# KiCad board SparkFun_GNSS_Flex_pHAT_panelized.kicad_pcb (continued)
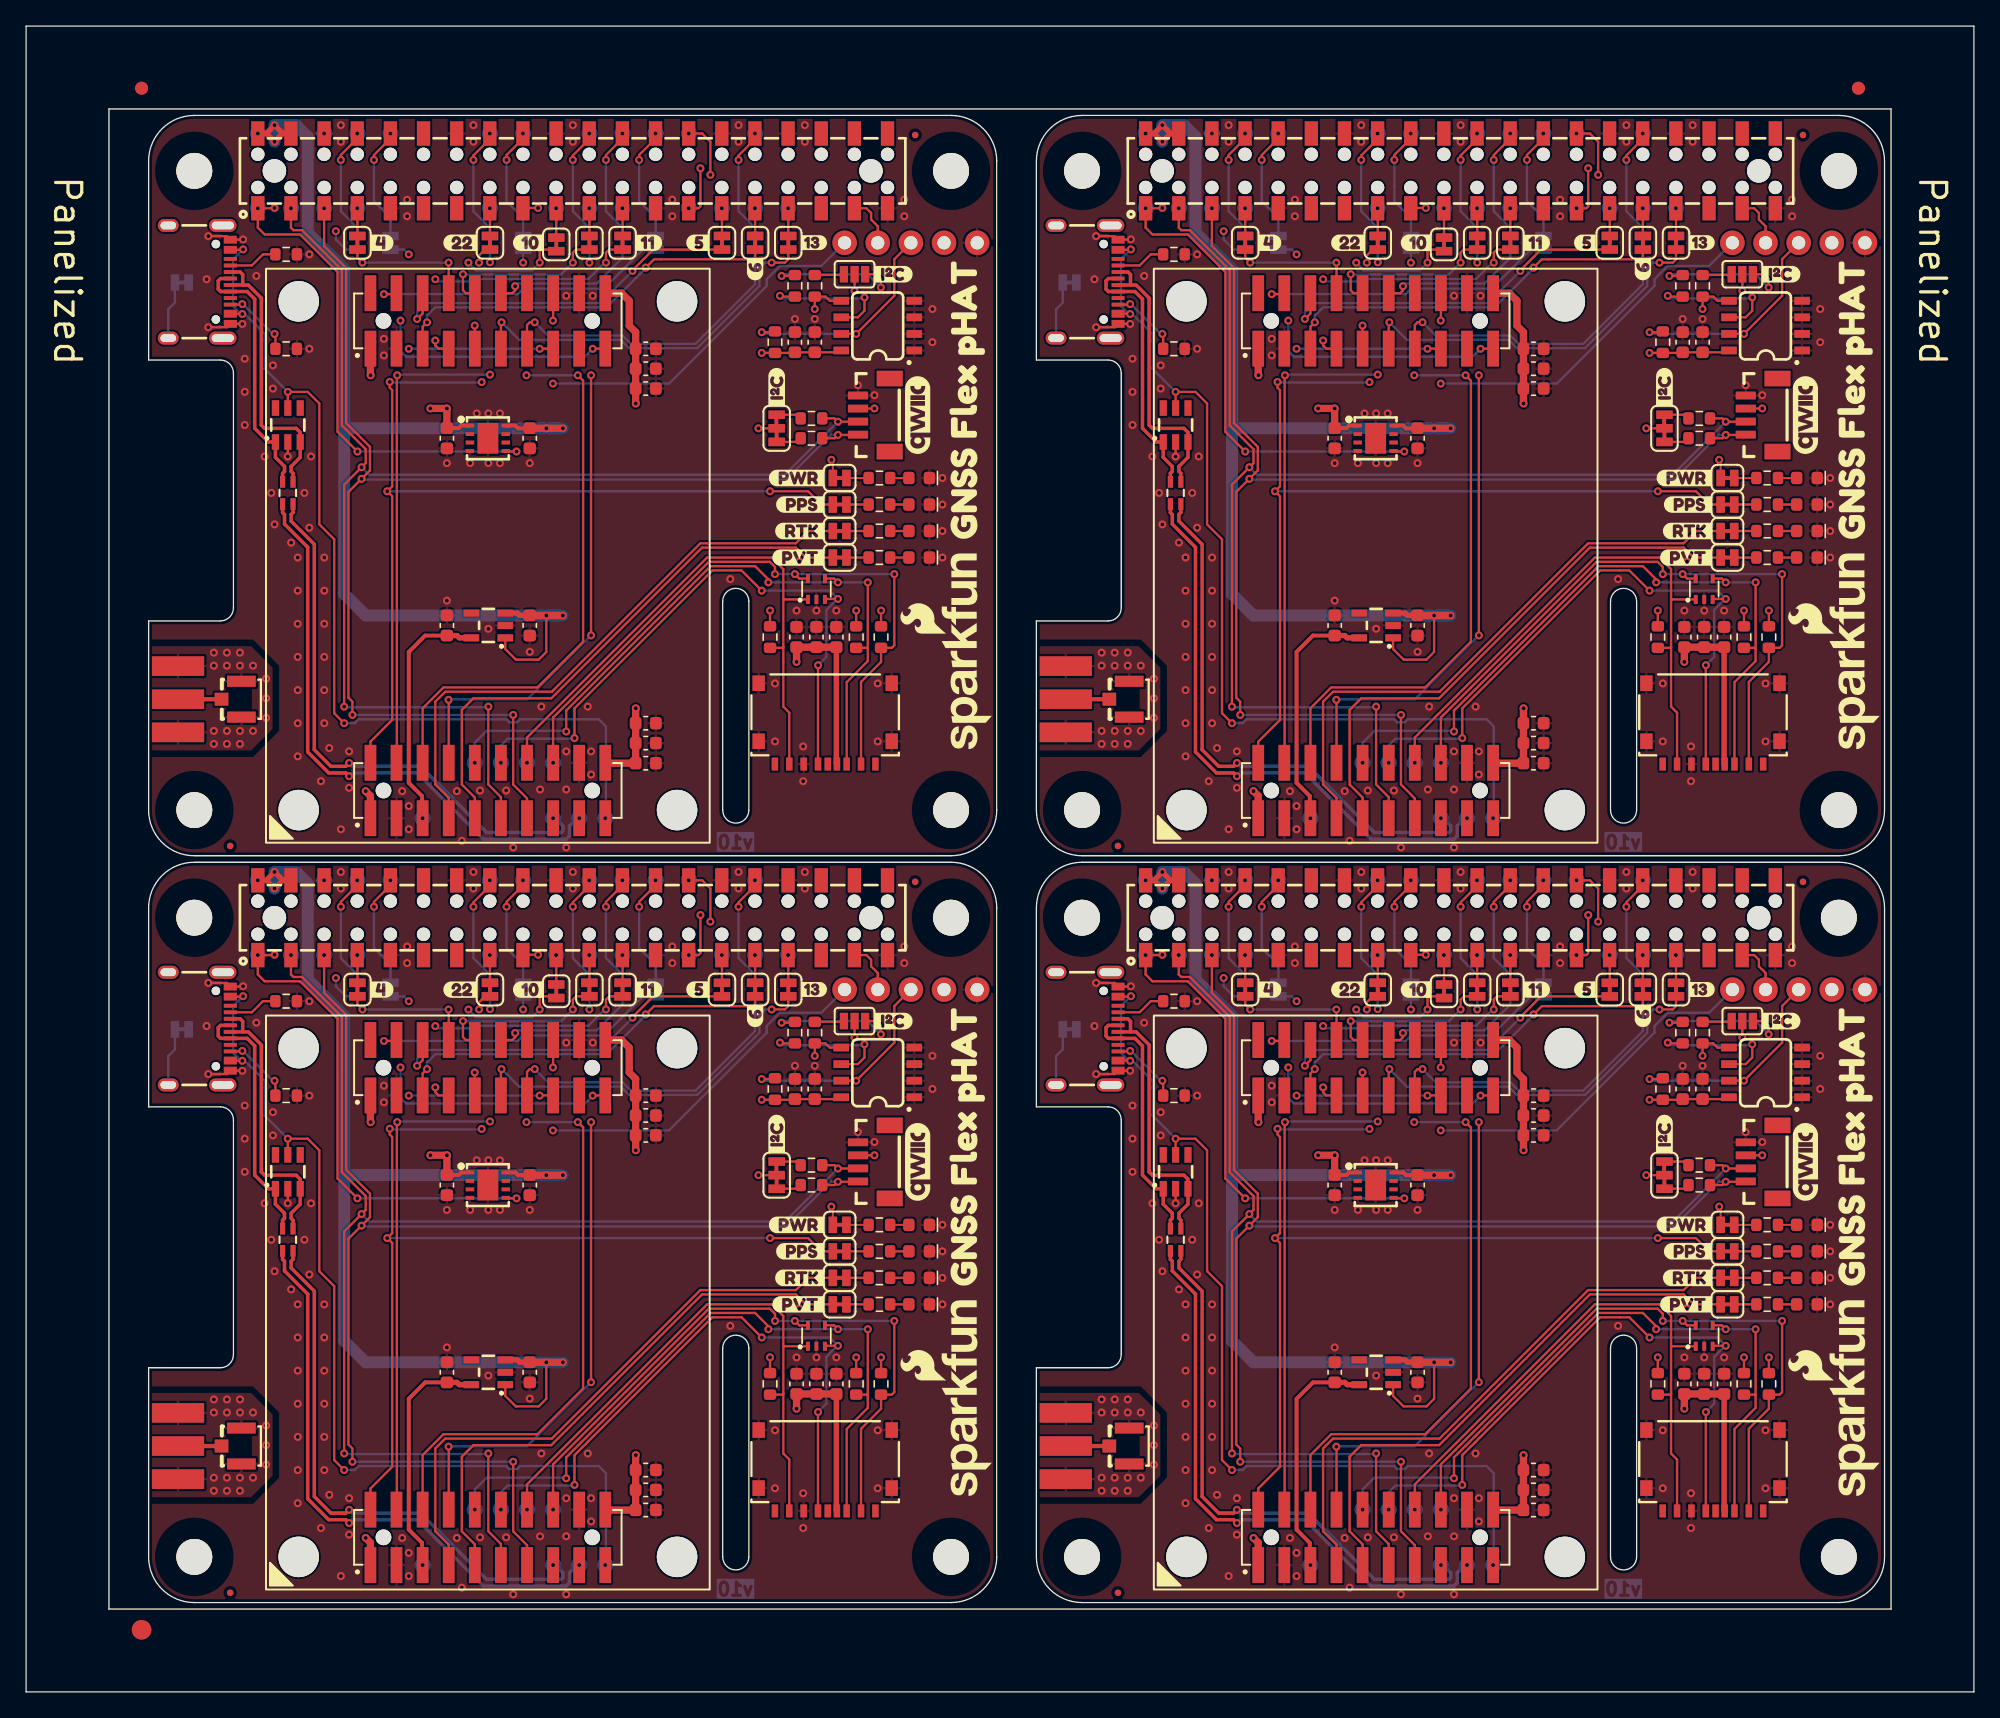
[diagram p0: board, top side]
## Routing (per net, layer and track width the routed paths; a pad name or vN(x,y) marks a point on that pad's centre or on a via; arc(x,y) is an arc through that point) (continued)
CTS2: length 88.4
  Top w0.178: J4#3.7 31.6,45.73 31.36,45.97 v1(31.36,46.35) ; J4.7 99.64,45.73 99.4,45.97 v1(99.4,46.35) ; v1(44.44,52.32) 44.44,53.08 44.68,53.32 JP11#4.2 ; v1(31.36,103.6) 31.36,103.22 31.6,102.97 J4#4.7 ; v1(44.44,109.57) 44.44,110.33 44.68,110.57 JP11#2.2 ; JP11.2 112.72,53.32 112.48,53.08 v1(112.48,52.32) ; J4#2.7 99.64,102.97 99.4,103.22 v1(99.4,103.6) ; JP11#3.2 112.72,110.57 112.48,110.33 v1(112.48,109.57)
  In2.Cu w0.178: v1(31.36,108.3) v1(31.36,103.6) ; v1(31.36,51.05) v1(31.36,46.35) ; v1(99.4,108.3) v1(99.4,103.6) ; v1(99.4,51.05) v1(99.4,46.35)
  Bottom w0.178: v1(44.44,52.32) 44.34,52.32 43.1,51.07 34.31,51.07 34.1,50.87 31.54,50.87 v1(31.36,51.05) ; v1(112.48,109.57) 112.38,109.57 111.14,108.32 102.35,108.32 102.14,108.12 99.58,108.12 v1(99.4,108.3) ; v1(44.44,109.57) 44.34,109.57 43.1,108.32 34.31,108.32 34.1,108.12 31.54,108.12 v1(31.36,108.3) ; v1(112.48,52.32) 112.38,52.32 111.14,51.07 102.35,51.07 102.14,50.87 99.58,50.87 v1(99.4,51.05)
CTS3: length 93
  Top w0.178: v1(95.46,49.9) 96.36,49.9 J4.4 ; v1(27.42,107.15) 28.32,107.15 J4#4.4 ; v1(27.42,49.9) 28.32,49.9 J4#3.4 ; v1(95.46,107.15) 96.36,107.15 J4#2.4
  Bottom w0.178: v1(27.42,49.9) 37.69,49.9 38.1,50.32 44.28,50.32 47.27,53.32 JP7.2 ; JP7#3.2 115.31,53.32 112.32,50.32 106.14,50.32 105.73,49.9 v1(95.46,49.9) ; v1(27.42,107.15) 37.69,107.15 38.1,107.57 44.28,107.57 47.27,110.57 JP7#4.2 ; JP7#2.2 115.31,110.57 112.32,107.57 106.14,107.57 105.73,107.15 v1(95.46,107.15)
D+: length 178.8
  Top w0.267: v1(24.76,70.2) 24.5,70.45 23.19,70.45 21.58,72.05 21.58,87.75 19.8,89.53 19.8,90.26 19.66,90.41 TR1.4 ; TR1#2.4 87.7,90.41 87.84,90.26 87.84,89.53 89.62,87.75 89.62,72.05 91.23,70.45 92.54,70.45 v1(92.8,70.2) ; v1(92.8,12.95) 92.54,13.2 91.23,13.2 89.62,14.8 89.62,30.5 87.84,32.28 87.84,33.01 87.7,33.16 TR1#3.4 ; TR1#4.4 19.66,33.16 19.8,33.01 19.8,32.28 21.58,30.5 21.58,14.8 23.19,13.2 24.5,13.2 v1(24.76,12.95)
  Bottom w0.267: v1(24.76,12.95) 25.01,13.2 29.96,13.2 35.04,8.12 41.39,8.12 41.65,8.37 41.65,9.14 42.24,9.73 v1(42.39,9.73) ; v1(42.39,66.98) 42.24,66.98 41.65,66.39 41.65,65.62 41.39,65.37 35.04,65.37 29.96,70.45 25.01,70.45 v1(24.76,70.2) ; v1(92.8,12.95) 93.05,13.2 98,13.2 103.08,8.12 109.43,8.12 109.69,8.37 109.69,9.14 110.28,9.73 v1(110.43,9.73) ; v1(110.43,66.98) 110.28,66.98 109.69,66.39 109.69,65.62 109.43,65.37 103.08,65.37 98,70.45 93.05,70.45 v1(92.8,70.2)
D-: length 171.8
  Top w0.267: TR1.2 20.46,90.41 20.31,90.26 20.31,89.75 22.09,87.98 22.09,72.23 23.36,70.96 24.5,70.96 v1(24.76,71.21) ; TR1#3.2 88.5,33.16 88.35,33.01 88.35,32.5 90.13,30.73 90.13,14.98 91.4,13.71 92.54,13.71 v1(92.8,13.96) ; v1(92.8,71.21) 92.54,70.96 91.4,70.96 90.13,72.23 90.13,87.98 88.35,89.75 88.35,90.26 88.5,90.41 TR1#2.2 ; TR1#4.2 20.46,33.16 20.31,33.01 20.31,32.5 22.09,30.73 22.09,14.98 23.36,13.71 24.5,13.71 v1(24.76,13.96)
  Bottom w0.267: v1(92.8,13.96) 93.05,13.71 98.26,13.71 103.34,8.63 109.05,8.63 109.18,8.75 109.18,9.14 108.59,9.73 v1(108.43,9.73) ; v1(92.8,71.21) 93.05,70.96 98.26,70.96 103.34,65.88 109.05,65.88 109.18,66 109.18,66.39 108.59,66.98 v1(108.43,66.98) ; v1(24.76,71.21) 25.01,70.96 30.22,70.96 35.3,65.88 41.01,65.88 41.14,66 41.14,66.39 40.55,66.98 v1(40.39,66.98) ; v1(24.76,13.96) 25.01,13.71 30.22,13.71 35.3,8.63 41.01,8.63 41.14,8.75 41.14,9.14 40.55,9.73 v1(40.39,9.73)
EVENTA: length 211.5
  Top w0.178: J2#2.6 30.39,18.16 31.99,19.75 39.18,19.75 42.69,23.26 42.69,43.27 v1(42.28,43.68) ; v1(110.32,43.68) 110.73,43.27 110.73,23.26 107.22,19.75 100.03,19.75 98.43,18.16 J2#4.6 ; v1(110.32,100.93) 110.73,100.52 110.73,80.51 107.22,77 100.03,77 98.43,75.41 J2#3.6 ; v1(42.28,100.93) 42.69,100.52 42.69,80.51 39.18,77 31.99,77 30.39,75.41 J2.6
  In2.Cu w0.178: v1(106.13,52.32) 106.39,52.06 v1(106.39,43.68) ; v1(38.35,43.68) 38.35,52.06 v1(38.09,52.32) ; v1(38.35,100.93) 38.35,109.31 v1(38.09,109.57) ; v1(106.13,109.57) 106.39,109.31 v1(106.39,100.93)
  Bottom w0.178: v1(106.13,109.57) JP24#2.1 ; v1(106.13,52.32) JP24.1 ; v1(38.09,109.57) JP24#4.1 ; v1(42.28,100.93) v1(38.35,100.93) ; v1(110.32,43.68) v1(106.39,43.68) ; v1(42.28,43.68) v1(38.35,43.68) ; v1(110.32,100.93) v1(106.39,100.93) ; v1(38.09,52.32) JP24#3.1
EVENTB: length 193.1
  Top w0.178: J2#4.8 100.43,18.79 v1(100.42,18.8) ; J2#2.8 32.39,18.79 v1(32.38,18.8) ; v1(43.3,80.99) v1(43.3,100.93) ; J2.8 32.39,76.04 v1(32.38,76.05) ; J2#3.8 100.43,76.04 v1(100.42,76.05) ; v1(111.34,23.74) v1(111.34,43.68) ; v1(43.3,23.74) v1(43.3,43.68) ; v1(111.34,80.99) v1(111.34,100.93)
  In2.Cu w0.178: v1(111.21,52.32) 110.2,51.3 110.2,44.82 v1(111.34,43.68) ; v1(111.34,100.93) 110.2,102.07 110.2,108.55 v1(111.21,109.57) ; v1(43.17,52.32) 42.16,51.3 42.16,44.82 v1(43.3,43.68) ; v1(43.3,100.93) 42.16,102.07 42.16,108.55 v1(43.17,109.57)
  Bottom w0.178: v1(100.42,18.8) 100.45,18.84 106.44,18.84 v1(111.34,23.74) ; v1(111.34,80.99) 106.44,76.09 100.45,76.09 v1(100.42,76.05) ; v1(111.21,52.32) JP25#4.1 ; v1(43.3,80.99) 38.4,76.09 32.41,76.09 v1(32.38,76.05) ; v1(32.38,18.8) 32.41,18.84 38.4,18.84 v1(43.3,23.74) ; v1(111.21,109.57) JP25#2.1 ; v1(43.17,109.57) JP25.1 ; v1(43.17,52.32) JP25#3.1
GPIO26: length 15.7
  Top w0.178: J9#2.4 65.27,55.11 64.76,55.62 64.76,56.13 64.4,56.48 J1#4.37 ; J1.37 132.44,113.73 132.8,113.38 132.8,112.87 133.31,112.36 J9#3.4 ; J1#2.37 64.4,113.73 64.76,113.38 64.76,112.87 65.27,112.36 J9#4.4 ; J9.4 133.31,55.11 132.8,55.62 132.8,56.13 132.44,56.48 J1#3.37
ID_SC: length 141.9
  Top w0.178: v1(132.29,49.65) 132.29,48.63 131.79,48.12 U1.6 ; v1(52.44,116.3) 52.44,118.84 51.81,119.47 v1(50.78,119.47) ; v1(118.82,119.47) 119.85,119.47 120.48,118.84 v1(120.48,116.3) ; v1(125.82,107.03) 125.88,106.96 126.96,106.96 ; v1(132.29,106.9) 132.29,105.88 131.79,105.38 U1#3.6 ; v1(118.82,62.22) 119.85,62.22 120.48,61.59 v1(120.48,59.05) ; 58.92,49.71 57.84,49.71 v1(57.78,49.78) ; 58.92,106.96 57.84,106.96 v1(57.78,107.03) ; U1#4.6 63.75,48.12 64.25,48.63 v1(64.25,49.65) ; v1(64.25,106.9) 64.25,105.88 63.75,105.38 U1#2.6 ; v1(50.78,62.22) 51.81,62.22 52.44,61.59 v1(52.44,59.05) ; v1(125.82,49.78) 125.88,49.71 126.96,49.71
  In2.Cu w0.178: v1(125.82,49.78) 128.23,52.19 128.23,54.6 130.01,56.38 130.01,58.54 129.5,59.05 v1(120.48,59.05) ; v1(52.44,59.05) 61.46,59.05 61.97,58.54 61.97,56.38 60.19,54.6 60.19,52.19 v1(57.78,49.78) ; v1(125.82,107.03) 128.23,109.44 128.23,111.85 130.01,113.63 130.01,115.79 129.5,116.3 v1(120.48,116.3) ; v1(52.44,116.3) 61.46,116.3 61.97,115.79 61.97,113.63 60.19,111.85 60.19,109.44 v1(57.78,107.03)
  Bottom w0.152: v1(50.78,119.47) 50.79,119.47 TP2#3.1 ; TP2.1 50.79,62.22 v1(50.78,62.22) ; v1(118.82,119.47) 118.83,119.47 TP2#4.1 ; TP2#2.1 118.83,62.22 v1(118.82,62.22)
  Bottom w0.178: v1(132.29,106.9) 132.22,106.82 126.02,106.82 v1(125.82,107.03) ; v1(64.25,49.65) 64.18,49.57 57.98,49.57 v1(57.78,49.78) ; v1(125.82,49.78) 126.02,49.57 132.22,49.57 v1(132.29,49.65) ; v1(57.78,107.03) 57.98,106.82 64.18,106.82 v1(64.25,106.9)
ID_SD: length 115.2
  Top w0.178: v1(51.68,59.56) 51.68,56.63 51.53,56.48 v1(50.78,56.48) ; v1(119.72,116.81) 119.72,113.88 119.57,113.73 v1(118.82,113.73) ; v1(128.48,48.76) 128.48,49.71 129.31,49.71 129.63,49.39 130.51,49.39 ; v1(60.44,106.01) 60.44,106.96 61.27,106.96 61.59,106.65 U1#2.5 ; v1(119.72,59.56) 119.72,56.63 119.57,56.48 v1(118.82,56.48) ; v1(128.48,106.01) 128.48,106.96 129.31,106.96 129.63,106.65 U1#3.5 ; v1(50.78,113.73) 51.53,113.73 51.68,113.88 v1(51.68,116.81) ; v1(60.44,48.76) 60.44,49.71 61.27,49.71 61.59,49.39 62.47,49.39
  In2.Cu w0.178: v1(60.44,106.01) 60.44,109.19 60.57,109.31 60.57,111.72 62.35,113.5 62.35,115.92 61.41,116.86 51.73,116.86 v1(51.68,116.81) ; v1(60.44,48.76) 60.44,51.94 60.57,52.06 60.57,54.48 62.35,56.25 62.35,58.67 61.41,59.61 51.73,59.61 v1(51.68,59.56) ; v1(119.72,59.56) 119.77,59.61 129.45,59.61 130.39,58.67 130.39,56.25 128.61,54.48 128.61,52.06 128.48,51.94 v1(128.48,48.76) ; v1(128.48,106.01) 128.48,109.19 128.61,109.31 128.61,111.72 130.39,113.5 130.39,115.92 129.45,116.86 119.77,116.86 v1(119.72,116.81)
  Bottom w0.152: TP1.1 50.79,113.75 v1(50.78,113.73) ; v1(118.82,56.48) 118.83,56.5 TP1#3.1 ; v1(50.78,56.48) 50.79,56.5 TP1#2.1 ; v1(118.82,113.73) 118.83,113.75 TP1#4.1
Pi_3V3: length 260.6
  Top w0.178: v1(105.62,37.84) 104.84,37.84 104.81,37.88 ; v1(39.23,113.76) 38.1,113.76 J1#2.17 ; v1(37.58,95.09) 36.8,95.09 U2#2.5 ; J1#3.17 106.14,56.51 v1(107.28,56.51) ; v1(87.08,113.76) 87.06,113.73 v1(85.8,113.73) 85.8,112.25 86.32,111.72 89.04,111.72 91.91,108.85 91.91,96.61 v1(93.43,95.09) ; v1(37.58,37.84) 36.8,37.84 36.76,37.88 ; U2.5 104.84,95.09 v1(105.62,95.09) ; J1#4.17 38.1,56.51 v1(39.23,56.51) ; v1(25.39,95.09) 23.87,96.61 23.87,108.85 21,111.72 18.28,111.72 17.76,112.25 v1(17.76,113.73) 19.02,113.73 v1(19.04,113.76) ; v1(87.08,56.51) 87.06,56.48 v1(85.8,56.48) 85.8,55 86.32,54.48 89.04,54.48 91.91,51.6 91.91,39.36 v1(93.43,37.84) ; J1.17 106.14,113.76 v1(107.28,113.76) ; v1(25.39,37.84) 23.87,39.36 23.87,51.6 21,54.48 18.28,54.48 17.76,55 v1(17.76,56.48) 19.02,56.48 v1(19.04,56.51)
  In2.Cu w0.178: v1(87.08,113.76) 88.1,112.74 91.4,112.74 92.16,113.5 92.16,116.17 92.54,116.55 106.77,116.55 107.15,116.17 107.15,113.88 v1(107.28,113.76) ; v1(39.23,56.51) 39.11,56.63 39.11,58.92 38.73,59.3 24.5,59.3 24.12,58.92 24.12,56.25 23.36,55.49 20.06,55.49 v1(19.04,56.51) ; v1(107.28,56.51) 107.15,56.63 107.15,58.92 106.77,59.3 92.54,59.3 92.16,58.92 92.16,56.25 91.4,55.49 88.1,55.49 v1(87.08,56.51) ; v1(39.23,113.76) 39.11,113.88 39.11,116.17 38.73,116.55 24.5,116.55 24.12,116.17 24.12,113.5 23.36,112.74 20.06,112.74 v1(19.04,113.76)
  Bottom w0.152: v1(17.76,113.73) 17.77,113.75 TP23#3.1 ; v1(17.76,56.48) 17.77,56.5 TP23#2.1 ; TP23.1 85.81,113.75 v1(85.8,113.73) ; TP23#4.1 85.81,56.5 v1(85.8,56.48)
  Bottom w0.178: v1(105.62,37.84) v1(93.43,37.84) ; v1(105.62,95.09) v1(93.43,95.09) ; v1(25.39,37.84) v1(37.58,37.84) ; v1(37.58,95.09) v1(25.39,95.09)
PPS1: length 331.3
  Top w0.178: JP22.1 35.16,53.32 34.71,52.87 v1(34.71,52.32) ; v1(102.75,52.32) 102.75,52.87 103.2,53.32 JP22#4.1 ; v1(27.87,43.17) 27.87,42.73 28.06,42.54 28.06,35.17 v1(27.68,34.79) 28.06,34.41 28.06,17.26 26.39,15.59 J2#2.2 ; v1(125.06,92.04) 127.98,92.04 128.99,91.02 PPS1.1#4.1 ; v1(27.87,100.42) 27.87,99.98 28.06,99.79 28.06,92.42 v1(27.68,92.04) 28.06,91.66 28.06,74.51 26.39,72.84 J2.2 ; PPS1.1#3.1 60.95,33.77 59.94,34.79 v1(57.01,34.79) ; JP22#2.1 35.16,110.57 34.71,110.12 v1(34.71,109.57) ; J2#4.2 94.43,15.59 96.1,17.26 96.1,34.41 v1(95.72,34.79) 96.1,35.17 96.1,42.54 95.91,42.73 v1(95.91,43.17) ; v1(57.01,92.04) 59.94,92.04 60.95,91.02 PPS1.1.1 ; v1(102.75,109.57) 102.75,110.12 103.2,110.57 JP22#3.1 ; v1(95.91,100.42) 95.91,99.98 96.1,99.79 96.1,92.42 v1(95.72,92.04) 96.1,91.66 96.1,74.51 94.43,72.84 J2#3.2 ; v1(125.06,34.79) 127.98,34.79 128.99,33.77 PPS1.1#2.1
  In2.Cu w0.178: v1(102.96,100.41) 103.03,100.48 103.03,109.29 v1(102.75,109.57) ; v1(34.92,100.41) 34.99,100.48 34.99,109.29 v1(34.71,109.57) ; v1(102.96,43.16) 103.03,43.23 103.03,52.04 v1(102.75,52.32) ; v1(34.71,52.32) 34.99,52.04 34.99,43.23 v1(34.92,43.16)
  Bottom w0.178: v1(95.91,100.42) 95.96,100.37 102.92,100.37 v1(102.96,100.41) ; v1(27.87,43.17) 27.92,43.12 34.88,43.12 v1(34.92,43.16) ; v1(34.92,100.41) 34.88,100.37 27.92,100.37 v1(27.87,100.42) ; v1(102.96,43.16) 102.92,43.12 95.96,43.12 v1(95.91,43.17) ; v1(125.06,92.04) v1(95.72,92.04) ; v1(57.01,92.04) v1(27.68,92.04) ; v1(57.01,34.79) v1(27.68,34.79) ; v1(125.06,34.79) v1(95.72,34.79)
PPS2: length 186.2
  Top w0.178: v1(28.44,100.93) 28.41,100.9 28.41,71.25 J2.4 ; J2#4.4 96.45,14 96.45,43.65 v1(96.48,43.68) ; v1(96.48,100.93) 96.45,100.9 96.45,71.25 J2#3.4 ; v1(28.44,43.68) 28.41,43.65 28.41,14 J2#2.4
  In2.Cu w0.178: v1(103.59,100.98) 103.47,101.11 103.47,109.46 v1(103.59,109.59) ; v1(35.55,43.73) 35.42,43.86 35.42,52.21 v1(35.55,52.34) ; v1(35.55,109.59) 35.42,109.46 35.42,101.11 v1(35.55,100.98) ; v1(103.59,52.34) 103.47,52.21 103.47,43.86 v1(103.59,43.73)
  Bottom w0.178: v1(96.48,43.68) 96.53,43.73 v1(103.59,43.73) ; v1(103.59,100.98) 96.53,100.98 v1(96.48,100.93) ; v1(28.44,43.68) 28.49,43.73 v1(35.55,43.73) ; v1(103.59,52.34) JP23#3.1 ; v1(28.44,100.93) 28.49,100.98 v1(35.55,100.98) ; v1(35.55,109.59) JP23#4.1 ; v1(35.55,52.34) JP23.1 ; v1(103.59,109.59) JP23#2.1
PVT_LED: length 170.5
  Top w0.178: PVT.1#3.1 59.76,29.71 59,30.47 51.81,30.47 40.25,18.92 34.28,18.92 33.39,18.03 33.39,12.31 34.39,11.31 J2#2.9 ; J2#4.9 102.43,11.31 101.43,12.31 101.43,18.03 102.32,18.92 108.29,18.92 119.85,30.47 127.04,30.47 127.8,29.71 PVT.1.1 ; PVT.1#2.1 127.8,86.96 127.04,87.72 119.85,87.72 108.29,76.16 102.32,76.16 101.43,75.28 101.43,69.56 102.43,68.56 102.43,66.98 ; PVT.1#4.1 59.76,86.96 59,87.72 51.81,87.72 40.25,76.16 34.28,76.16 33.39,75.28 33.39,69.56 34.39,68.56 34.39,66.98
RTK_LED: length 181
  Top w0.178: RTK.1#2.1 59.94,88.99 59,88.05 51.67,88.05 40.29,76.67 32.12,76.67 31.36,75.91 31.36,69.56 32.39,68.53 32.39,66.98 ; J2#4.7 100.43,11.28 99.4,12.31 99.4,18.66 100.16,19.42 108.33,19.42 119.71,30.8 127.04,30.8 127.98,31.74 RTK.1.1 ; J2#2.7 32.39,11.28 31.36,12.31 31.36,18.66 32.12,19.42 40.29,19.42 51.67,30.8 59,30.8 59.94,31.74 RTK.1#4.1 ; 100.43,66.98 100.43,68.53 99.4,69.56 99.4,75.91 100.16,76.67 108.33,76.67 119.71,88.05 127.04,88.05 127.98,88.99 RTK.1#3.1
RTS2: length 59.8
  Top w0.178: 108.67,110.57 107.52,110.57 107.4,110.45 v1(107.4,109.57) ; J4#2.9 102.42,102.98 v1(102.42,104.74) ; J4#3.9 34.38,45.73 v1(34.38,47.49) ; J4.9 102.42,45.73 v1(102.42,47.49) ; v1(107.4,52.32) 107.4,53.2 107.52,53.32 108.67,53.32 ; 40.63,53.32 39.48,53.32 39.36,53.2 v1(39.36,52.32) ; v1(39.36,109.57) 39.36,110.45 39.48,110.57 40.63,110.57 ; v1(34.38,104.74) 34.38,102.98 J4#4.9
  In2.Cu w0.178: v1(101.94,109.57) 102.09,109.41 102.09,105.07 v1(102.42,104.74) ; v1(34.38,47.49) 34.05,47.82 34.05,52.16 v1(33.9,52.32) ; v1(102.42,47.49) 102.09,47.82 102.09,52.16 v1(101.94,52.32) ; v1(33.9,109.57) 34.05,109.41 34.05,105.07 v1(34.38,104.74)
  Bottom w0.178: v1(101.94,52.32) 101.94,52.29 102.5,51.73 106.82,51.73 v1(107.4,52.32) ; v1(33.9,52.32) 33.9,52.29 34.46,51.73 38.78,51.73 v1(39.36,52.32) ; v1(107.4,109.57) 106.82,108.98 102.5,108.98 101.94,109.54 v1(101.94,109.57) ; v1(33.9,109.57) 33.9,109.54 34.46,108.98 38.78,108.98 v1(39.36,109.57)
RTS3: length 121.2
  Top w0.178: v1(98.77,47.74) 98.43,47.41 J4.5 ; v1(47.49,51.94) 48.12,52.57 55.75,52.57 55.87,52.7 JP6.2 ; JP6#4.2 123.91,109.95 123.78,109.82 116.16,109.82 v1(115.53,109.19) ; v1(98.77,104.99) 98.43,104.66 J4#2.5 ; v1(47.49,109.19) 48.12,109.82 55.75,109.82 55.87,109.95 JP6#2.2 ; v1(30.73,47.74) 30.39,47.41 J4#3.5 ; v1(115.53,51.94) 116.16,52.57 123.78,52.57 123.91,52.7 JP6#3.2 ; J4#4.5 30.39,104.66 v1(30.73,104.99)
  Bottom w0.178: v1(30.73,47.74) 30.73,48.25 31.36,48.89 44.49,48.89 47.49,51.88 v1(47.49,51.94) ; v1(115.53,109.19) 115.53,109.13 112.53,106.14 99.4,106.14 98.77,105.5 v1(98.77,104.99) ; v1(30.73,104.99) 30.73,105.5 31.36,106.14 44.49,106.14 47.49,109.13 v1(47.49,109.19) ; v1(115.53,51.94) 115.53,51.88 112.53,48.89 99.4,48.89 98.77,48.25 v1(98.77,47.74)
RXD1: length 128.3
  Top w0.178: J4#2.19 111.48,102.97 v1(111.47,102.96) ; J4#4.19 43.44,102.97 v1(43.43,102.96) ; v1(111.47,45.71) 111.48,45.73 J4.19 ; v1(43.43,45.71) 43.44,45.73 J4#3.19
  In2.Cu w0.178: v1(28.69,105.12) 28.69,110.58 28.44,110.84 24.88,110.84 v1(23.74,111.98) ; v1(91.78,111.98) 92.92,110.84 96.48,110.84 96.73,110.58 v1(96.73,105.12) ; v1(91.78,54.73) 92.92,53.59 96.48,53.59 96.73,53.33 v1(96.73,47.87) ; v1(28.69,47.87) 28.69,53.33 28.44,53.59 24.88,53.59 v1(23.74,54.73)
  Bottom w0.178: JP14.1 92.56,110.57 91.78,111.34 v1(91.78,111.98) ; v1(43.43,45.71) 42.82,45.1 29.13,45.1 28.69,45.53 v1(28.69,47.87) ; v1(23.74,111.98) 23.74,111.34 24.52,110.57 JP14#2.1 ; v1(111.47,102.96) 110.86,102.35 97.17,102.35 96.73,102.78 v1(96.73,105.12) ; v1(91.78,54.73) 91.78,54.09 92.56,53.32 JP14#4.1 ; v1(111.47,45.71) 110.86,45.1 97.17,45.1 96.73,45.53 v1(96.73,47.87) ; v1(43.43,102.96) 42.82,102.35 29.13,102.35 28.69,102.78 v1(28.69,105.12) ; JP14#3.1 24.52,53.32 23.74,54.09 v1(23.74,54.73)
RXD2: length 45.1
  Top w0.178: J4#3.12 37.28,49.98 37.48,50.18 v1(37.48,50.51) ; J4.12 105.31,49.98 105.52,50.18 v1(105.52,50.51) ; v1(37.48,107.76) 37.48,107.43 37.28,107.22 J4#4.12 ; J4#2.12 105.31,107.22 105.52,107.43 v1(105.52,107.76)
  Bottom w0.178: JP8#4.2 113.75,52.7 111.77,50.72 105.73,50.72 v1(105.52,50.51) ; JP8#3.2 45.71,109.95 43.73,107.97 37.69,107.97 v1(37.48,107.76) ; v1(37.48,50.51) 37.69,50.72 43.73,50.72 45.71,52.7 JP8#2.2 ; v1(105.52,107.76) 105.73,107.97 111.77,107.97 113.75,109.95 JP8.2
RXD3: length 40.4
  Top w0.178: v1(100.42,109.57) 100.42,109.31 100.43,109.3 J4#2.8 ; JP4#2.2 25.39,52.7 v1(25.77,52.32) ; J4#4.8 32.39,109.3 32.38,109.31 v1(32.38,109.57) ; v1(32.38,52.32) 32.38,52.06 32.39,52.05 J4#3.8 ; JP4#4.2 93.43,109.95 v1(93.81,109.57) ; JP4#3.2 25.39,109.95 v1(25.77,109.57) ; JP4.2 93.43,52.7 v1(93.81,52.32) ; J4.8 100.43,52.05 100.42,52.06 v1(100.42,52.32)
  Bottom w0.178: v1(25.77,109.57) v1(32.38,109.57) ; v1(25.77,52.32) v1(32.38,52.32) ; v1(93.81,52.32) v1(100.42,52.32) ; v1(93.81,109.57) v1(100.42,109.57)
RXD4: length 98.4
  Top w0.178: J4.13 106.43,47.53 106.64,47.74 v1(107.02,47.74) ; J4#2.13 106.43,104.78 106.64,104.99 v1(107.02,104.99) ; J4#3.13 38.39,47.53 38.6,47.74 v1(38.98,47.74) ; v1(38.98,104.99) 38.6,104.99 38.39,104.78 J4#4.13
  Bottom w0.178: JP12#4.2 55.87,107.92 51.3,103.34 46.35,103.34 45.71,103.98 40,103.98 v1(38.98,104.99) ; JP12#3.2 123.91,50.67 119.34,46.09 114.39,46.09 113.75,46.73 108.04,46.73 v1(107.02,47.74) ; v1(107.02,104.99) 108.04,103.98 113.75,103.98 114.39,103.34 119.34,103.34 123.91,107.92 JP12.2 ; v1(38.98,47.74) 40,46.73 45.71,46.73 46.35,46.09 51.3,46.09 55.87,50.67 JP12#2.2
SCL: length 410.5
  Top w0.178: R5.1 61.97,96.1 v1(62.22,96.36) 63.73,96.36 J8.4 ; J2#4.13 106.43,11.25 105.37,12.31 v1(105.37,17.64) ; J8#2.4 131.78,96.36 v1(130.26,96.36) 130.01,96.1 129.06,96.1 ; v1(25.01,17.64) 25.01,18.66 24.71,18.97 24.71,34.74 v1(25.71,35.74) 26.36,36.39 26.36,38.19 24.53,40.02 24.53,51.91 22.84,53.6 v1(22.84,56.48) ; v1(93.05,17.64) 93.05,18.66 92.75,18.97 92.75,34.74 v1(93.75,35.74) 94.4,36.39 94.4,38.19 92.57,40.02 92.57,51.91 90.88,53.6 v1(90.88,56.48) ; 129.06,38.85 130.01,38.85 v1(130.26,39.11) 131.78,39.11 J8#4.4 ; v1(90.88,113.73) 90.88,110.85 92.57,109.16 92.57,97.27 94.4,95.44 94.4,93.64 v1(93.75,92.99) 92.75,91.99 92.75,76.22 93.05,75.91 v1(93.05,74.9) ; v1(22.84,113.73) 22.84,110.85 24.53,109.16 24.53,97.27 26.36,95.44 26.36,93.64 v1(25.71,92.99) 24.71,91.99 24.71,76.22 25.01,75.91 v1(25.01,74.9) ; 106.43,66.98 106.43,68.5 105.37,69.56 v1(105.37,74.9) ; R5#3.1 61.97,38.85 v1(62.22,39.11) 63.73,39.11 J8#3.4 ; v1(37.33,74.9) 37.33,69.56 38.39,68.5 38.39,66.98 ; J2#2.13 38.39,11.25 37.33,12.31 v1(37.33,17.64)
  Bottom w0.152: v1(22.84,113.73) 22.85,113.75 TP4#2.1 ; v1(90.88,56.48) 90.89,56.5 TP4#4.1 ; TP4#3.1 90.89,113.75 v1(90.88,113.73) ; v1(22.84,56.48) 22.85,56.5 TP4.1
  Bottom w0.178: v1(93.05,17.64) v1(105.37,17.64) ; v1(93.75,35.74) 93.81,35.68 126.28,35.68 129.71,39.11 v1(130.26,39.11) ; v1(93.75,92.99) 93.81,92.93 126.28,92.93 129.71,96.36 v1(130.26,96.36) ; v1(62.22,39.11) 61.67,39.11 58.24,35.68 25.77,35.68 v1(25.71,35.74) ; v1(25.01,74.9) v1(37.33,74.9) ; v1(62.22,96.36) 61.67,96.36 58.24,92.93 25.77,92.93 v1(25.71,92.99) ; v1(93.05,74.9) v1(105.37,74.9) ; v1(25.01,17.64) v1(37.33,17.64)
SD_CLK: length 197.2
  Top w0.178: v1(128.74,21.45) 128.73,21.45 128.73,13.88 ; J5#3.5 128.73,78.7 v1(128.74,78.71) ; v1(130.26,83.78) 129.3,83.78 129.26,83.75 ; 60.69,13.88 60.69,21.45 v1(60.7,21.45) ; D2#4.3 61.26,26.53 v1(62.22,26.53) ; v1(110.07,73.12) 110.07,75.4 120.64,85.97 122.87,85.97 v1(124.42,84.42) ; v1(42.03,73.12) 42.03,75.4 52.6,85.97 54.83,85.97 v1(56.38,84.42) ; v1(60.7,78.71) 60.69,78.7 J5.5 ; v1(42.03,15.87) 42.03,18.15 52.6,28.72 54.83,28.72 v1(56.38,27.17) ; D2#2.3 129.3,26.53 v1(130.26,26.53) ; v1(124.42,27.17) 122.87,28.72 120.64,28.72 110.07,18.15 v1(110.07,15.87) ; v1(62.22,83.78) 61.26,83.78 61.22,83.75
  Bottom w0.178: v1(36.39,13.98) 36.39,15.31 36.9,15.82 41.98,15.82 v1(42.03,15.87) ; v1(36.39,71.22) 36.39,72.56 36.9,73.07 41.98,73.07 v1(42.03,73.12) ; v1(128.74,21.45) 129.37,22.09 129.37,25.7 130.21,26.53 v1(130.26,26.53) 129.63,27.17 v1(124.42,27.17) ; v1(60.7,21.45) 61.33,22.09 61.33,25.7 62.17,26.53 v1(62.22,26.53) 61.59,27.17 v1(56.38,27.17) ; v1(56.38,84.42) 61.59,84.42 v1(62.22,83.78) 62.17,83.78 61.33,82.95 61.33,79.34 v1(60.7,78.71) ; v1(110.07,73.12) 110.02,73.07 104.94,73.07 104.43,72.56 v1(104.43,71.22) ; v1(124.42,84.42) 129.63,84.42 v1(130.26,83.78) 130.21,83.78 129.37,82.95 129.37,79.34 v1(128.74,78.71) ; v1(104.43,13.98) 104.43,15.31 104.94,15.82 110.02,15.82 v1(110.07,15.87)
SD_CMD: length 222.1
  Top w0.178: 64.51,79.97 64.51,79.02 62.89,77.4 J5.3 ; 64.51,79.97 64.44,80.04 R7#3.1 ; 64.51,79.97 v1(64.51,85.06) ; 62.89,13.88 62.89,20.15 64.51,21.77 64.51,22.73 ; 132.55,79.97 132.55,79.02 130.93,77.4 J5#3.3 ; 132.55,79.97 v1(132.55,85.06) ; 132.55,79.97 132.48,80.04 R7#2.1 ; v1(109.43,16.38) 109.43,17.98 120.5,29.05 123.91,29.05 124.93,28.03 v1(124.93,27.81) ; D2.4 61.93,85.35 v1(62.22,85.06) ; 130.93,13.88 130.93,20.15 132.55,21.77 132.55,22.73 ; 132.55,22.73 132.48,22.79 R7.1 ; 132.55,22.73 v1(132.55,27.81) ; v1(130.26,27.81) 129.97,28.1 129.26,28.1 ; v1(41.39,73.62) 41.39,75.23 52.46,86.3 55.87,86.3 56.89,85.28 v1(56.89,85.06) ; v1(124.93,85.06) 124.93,85.28 123.91,86.3 120.5,86.3 109.43,75.23 v1(109.43,73.62) ; 61.22,28.1 61.93,28.1 v1(62.22,27.81) ; D2#3.4 129.97,85.35 v1(130.26,85.06) ; v1(41.39,16.38) 41.39,17.98 52.46,29.05 55.87,29.05 56.89,28.03 v1(56.89,27.81) ; 64.51,22.73 v1(64.51,27.81) ; 64.51,22.73 64.44,22.79 R7#4.1
  Bottom w0.178: v1(109.43,73.62) 109.38,73.68 103.34,73.68 102.43,72.77 v1(102.43,71.22) ; v1(41.39,73.62) 41.34,73.68 35.3,73.68 34.39,72.77 v1(34.39,71.22) ; v1(132.55,27.81) v1(130.26,27.81) v1(124.93,27.81) ; v1(64.51,85.06) v1(62.22,85.06) v1(56.89,85.06) ; v1(34.39,13.98) 34.39,15.52 35.3,16.43 41.34,16.43 v1(41.39,16.38) ; v1(132.55,85.06) v1(130.26,85.06) v1(124.93,85.06) ; v1(102.43,13.98) 102.43,15.52 103.34,16.43 109.38,16.43 v1(109.43,16.38) ; v1(64.51,27.81) v1(62.22,27.81) v1(56.89,27.81)
SD_DAT0: length 183
  Top w0.178: 126.07,22.85 126.07,18.28 126.53,17.82 126.53,13.88 ; 126.07,22.85 126.01,22.79 R8#2.1 ; 126.07,22.85 126.07,26.53 ; R8#3.1 57.97,80.04 58.03,80.1 ; 58.03,83.78 58.03,86.07 57.14,86.96 52.19,86.96 38.39,73.16 v1(38.39,71.22) ; 58.03,83.78 58.03,80.1 ; 58.03,83.78 58.07,83.75 59.92,83.75 ; 127.96,83.75 126.11,83.75 126.07,83.78 ; 126.07,83.78 126.07,80.1 ; 126.07,83.78 126.07,86.07 125.18,86.96 120.23,86.96 106.43,73.16 v1(106.43,71.22) ; 126.07,26.53 126.07,28.82 125.18,29.71 120.23,29.71 106.43,15.91 v1(106.43,13.98) ; 126.07,26.53 126.11,26.5 D2#2.1 ; 58.03,26.53 58.07,26.5 D2#4.1 ; 58.03,26.53 58.03,22.85 ; 58.03,26.53 58.03,28.82 57.14,29.71 52.19,29.71 38.39,15.91 v1(38.39,13.98) ; 58.49,13.88 58.49,17.82 58.03,18.28 58.03,22.85 ; 126.07,80.1 126.07,75.53 126.53,75.07 J5#3.7 ; 126.07,80.1 126.01,80.04 R8#4.1 ; 58.03,80.1 58.03,75.53 58.49,75.07 J5.7 ; 58.03,22.85 57.97,22.79 R8.1
